# KiCad board TS_FPGA_Module_Rev2.kicad_pcb (continued)
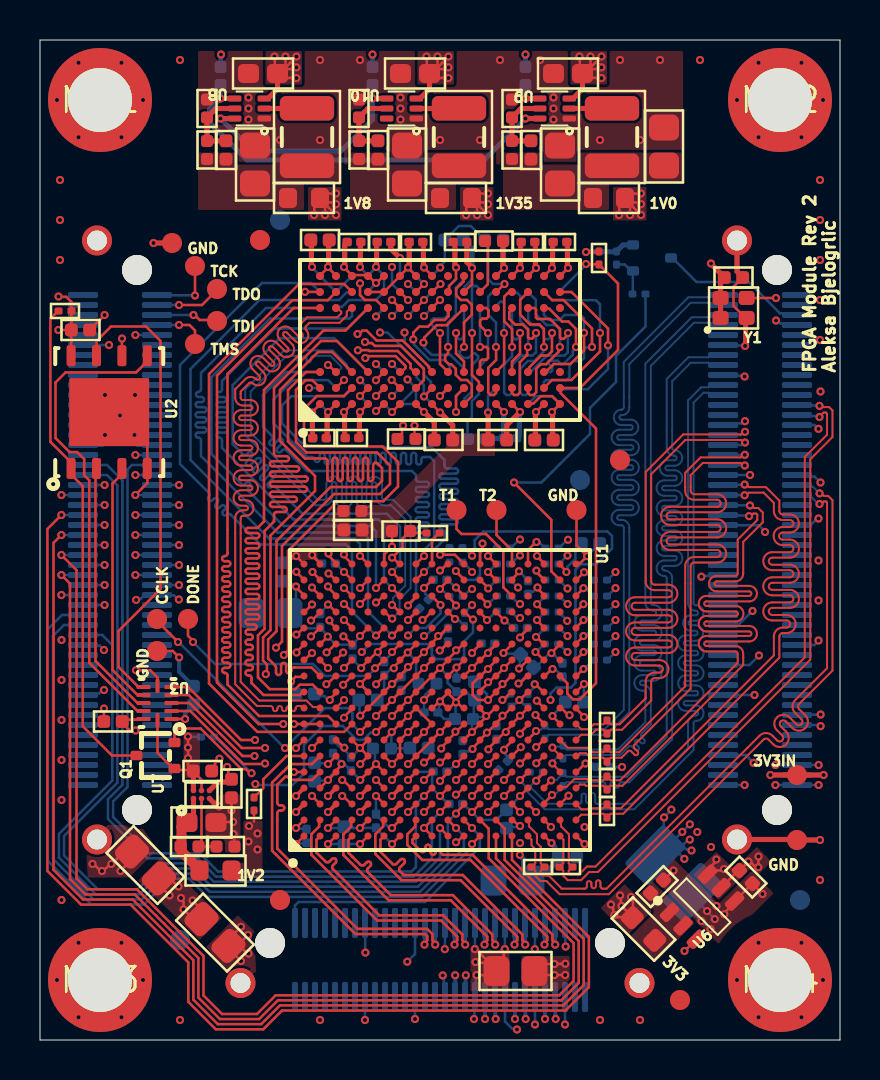
[diagram p0: board, top side]
## Routing (per net, layer and track width the routed paths; a pad name or vN(x,y) marks a point on that pad's centre or on a via; arc(x,y) is an arc through that point) (continued)
/FPGA_Banks_14_15_DDR3/DDR3_DQS1_N: length 40.7
  Top Layer w0.1: U1.A9 13.13,16.6 13.03,16.7 12.9,16.7 arc(12.81,16.67) 12.78,16.59 12.78,16.55 arc(12.67,16.44) 12.55,16.55 12.55,16.59 arc(12.44,16.7) 12.33,16.59 12.33,16.55 arc(12.21,16.44) 12.1,16.55 12.1,16.59 arc(11.99,16.7) 11.87,16.59 11.87,16.55 arc(11.76,16.44) 11.65,16.55 11.65,16.59 arc(11.61,16.67) 11.53,16.7 10.85,16.7 9.76,17.79 9.76,26.1 arc(9.87,26.37) 10.15,26.49 10.29,26.49 arc(10.4,26.6) 10.29,26.71 10.07,26.71 arc(9.68,27.1) 10.07,27.49 10.51,27.49 arc(10.62,27.6) 10.51,27.72 10.07,27.72 arc(9.68,28.1) 10.07,28.49 10.51,28.49 arc(10.62,28.61) 10.51,28.72 10.07,28.72 arc(9.68,29.11) 10.07,29.49 10.51,29.49 arc(10.62,29.61) 10.51,29.72 10.07,29.72 arc(9.68,30.11) 10.07,30.5 10.51,30.5 arc(10.62,30.61) 10.51,30.72 10.07,30.72 arc(9.68,31.11) 10.07,31.5 10.51,31.5 arc(10.62,31.61) 10.51,31.72 10.15,31.72 arc(9.87,31.84) 9.76,32.11 9.76,32.54 10.26,33.04 arc(10.54,33.15) 10.81,33.04 arc(10.89,33.01) 10.97,33.04 arc(11.01,33.12) 10.97,33.2 10.63,33.54 arc(10.52,33.81) 10.63,34.09 arc(10.91,34.2) 11.18,34.09 11.53,33.74 arc(11.61,33.7) 11.69,33.74 arc(11.73,33.82) 11.69,33.9 11.28,34.3 arc(11.17,34.58) 11.28,34.85 arc(11.53,34.97) 11.78,34.89 11.79,34.89 12.24,34.44 arc(12.32,34.41) 12.4,34.44 arc(12.43,34.52) 12.4,34.61 arc(12.4,34.61) 12.4,34.61 11.99,35.01 arc(11.88,35.29) 11.99,35.56 arc(12.23,35.67) 12.49,35.6 12.5,35.6 12.95,35.15 arc(13.11,35.15) 13.11,35.31 13.1,35.32 arc(12.98,35.6) 13.1,35.87 13.36,36.13 14.87,36.13 15.06,36.33 15.06,36.41 14.88,36.6 U4.B7
/FPGA_Banks_14_15_DDR3/DDR3_DQS1_P: length 40.2
  Top Layer w0.1: U4.C7 15.52,36.6 15.34,36.41 15.34,36.22 14.98,35.86 13.47,35.86 13.29,35.68 arc(13.26,35.6) 13.29,35.52 13.34,35.47 13.34,35.46 arc(13.42,35.2) 13.3,34.96 arc(13.03,34.85) 12.75,34.96 12.35,35.37 arc(12.27,35.4) 12.19,35.37 arc(12.15,35.29) 12.18,35.21 12.63,34.76 12.63,34.75 arc(12.71,34.49) 12.59,34.25 arc(12.32,34.14) 12.05,34.25 11.64,34.66 arc(11.64,34.66) 11.64,34.66 arc(11.56,34.69) 11.48,34.66 arc(11.44,34.58) 11.48,34.5 11.93,34.05 11.93,34.04 arc(12,33.79) 11.89,33.54 arc(11.61,33.43) 11.34,33.54 10.99,33.89 arc(10.91,33.93) 10.83,33.89 arc(10.79,33.81) 10.83,33.73 11.17,33.39 arc(11.28,33.12) 11.17,32.85 arc(10.89,32.73) 10.62,32.85 arc(10.54,32.88) 10.46,32.85 10.03,32.42 10.03,32.11 arc(10.07,32.03) 10.15,32 10.51,32 arc(10.9,31.61) 10.51,31.22 10.07,31.22 arc(9.95,31.11) 10.07,31 10.51,31 arc(10.9,30.61) 10.51,30.22 10.07,30.22 arc(9.95,30.11) 10.07,29.99 10.51,29.99 arc(10.9,29.61) 10.51,29.22 10.07,29.22 arc(9.95,29.11) 10.07,28.99 10.51,28.99 arc(10.9,28.61) 10.51,28.22 10.07,28.22 arc(9.95,28.1) 10.07,27.99 10.51,27.99 arc(10.9,27.6) 10.51,27.22 10.07,27.22 arc(9.95,27.1) 10.07,26.99 10.29,26.99 arc(10.67,26.6) 10.29,26.21 10.15,26.21 arc(10.07,26.18) 10.03,26.1 10.03,17.9 10.96,16.97 13.32,16.97 13.65,16.65 13.95,16.65 U1.B9
/FPGA_Banks_14_15_DDR3/DDR3_DQS2_N: length 29.4
  Top Layer w0.127: 12.82,23.4 13.17,23.05 ; 13.19,23 U1.A17
  Int2 (Sign) w0.1: v1(18.4,36.2) 18.34,36.26 18.08,36.26 17.72,36.62 17.33,36.62 17.06,36.9 15.01,36.9 11.36,33.25 11.36,32.45 arc(11.48,32.16) 11.77,32.04 11.95,32.04 arc(12.06,31.92) 11.95,31.81 11.62,31.81 arc(11.21,31.4) 11.62,30.98 11.95,30.98 arc(12.06,30.87) 11.95,30.76 11.62,30.76 arc(11.21,30.34) 11.62,29.93 11.95,29.93 arc(12.06,29.81) 11.95,29.7 11.62,29.7 arc(11.21,29.29) 11.62,28.87 11.95,28.87 arc(12.06,28.76) 11.95,28.65 11.62,28.65 arc(11.21,28.23) 11.62,27.82 11.95,27.82 arc(12.06,27.71) 11.95,27.59 11.62,27.59 arc(11.21,27.18) 11.62,26.77 11.95,26.77 arc(12.06,26.65) 11.95,26.54 11.62,26.54 arc(11.21,26.13) 11.62,25.71 11.95,25.71 arc(12.06,25.6) 11.95,25.49 11.77,25.49 arc(11.48,25.36) 11.36,25.07 11.36,23.81 11.67,23.5 12.72,23.5 ; 12.73,23.41 v1(12.82,23.41)
  Bottom Layer w0.127: v1(18.4,36.2) U5.G3
/FPGA_Banks_14_15_DDR3/DDR3_DQS2_P: length 29.5
  Top Layer w0.127: v1(13.6,22.62) 13.6,22.61 13.96,22.25 13.96,22.24
  Int2 (Sign) w0.1: v1(17.6,36.2) 17.52,36.2 17.4,36.32 17.21,36.32 16.93,36.6 15.13,36.6 12.58,34.05 12.34,33.81 arc(12.31,33.73) 12.34,33.65 12.4,33.59 arc(12.43,33.51) 12.4,33.43 arc(12.32,33.39) 12.24,33.43 12.18,33.49 arc(12.1,33.52) 12.02,33.49 11.66,33.12 11.66,32.45 arc(11.69,32.37) 11.77,32.34 11.95,32.34 arc(12.36,31.92) 11.95,31.51 11.62,31.51 arc(11.51,31.4) 11.62,31.28 11.95,31.28 arc(12.36,30.87) 11.95,30.46 11.62,30.46 arc(11.51,30.34) 11.62,30.23 11.95,30.23 arc(12.36,29.81) 11.95,29.4 11.62,29.4 arc(11.51,29.29) 11.62,29.17 11.95,29.17 arc(12.36,28.76) 11.95,28.35 11.62,28.35 arc(11.51,28.23) 11.62,28.12 11.95,28.12 arc(12.36,27.71) 11.95,27.29 11.62,27.29 arc(11.51,27.18) 11.62,27.07 11.95,27.07 arc(12.36,26.65) 11.95,26.24 11.62,26.24 arc(11.51,26.13) 11.62,26.01 11.95,26.01 arc(12.36,25.6) 11.95,25.19 11.77,25.19 arc(11.69,25.15) 11.66,25.07 11.66,23.94 11.79,23.8 12.97,23.8 13.22,23.55 13.22,23 v1(13.6,22.62)
  Bottom Layer w0.127: v1(17.6,36.2) U5.F3
/FPGA_Banks_14_15_DDR3/DDR3_DQS3_N: length 30.8
  Top Layer w0.127: 17.23,21.38 17.26,21.38 17.57,21.07 v1(17.61,21.07)
  Bottom Layer w0.1: v1(17.61,21.07) 17.98,21.44 17.98,22.05 18.53,22.6 18.53,26.15 17.67,27.01 17.21,27.01 arc(17.13,27.04) 17.1,27.12 17.1,27.77 arc(16.71,28.16) 16.32,27.77 16.32,26.98 arc(16.21,26.86) 16.1,26.98 16.1,27.79 arc(15.71,28.18) 15.32,27.79 15.32,26.98 arc(15.21,26.86) 15.09,26.98 15.09,27.79 arc(14.71,28.18) 14.32,27.79 14.32,27.12 arc(14.29,27.04) 14.21,27.01 13.88,27.01 10.53,30.36 10.53,32.42 12.32,34.21 12.76,34.21 arc(12.84,34.18) 12.87,34.1 12.87,33.99 arc(12.98,33.88) 13.1,33.99 13.1,34.07 arc(13.21,34.19) 13.33,34.07 13.33,34 arc(13.44,33.89) 13.55,34 13.55,34.1 arc(13.59,34.18) 13.67,34.21 14.52,34.21 15.06,33.67 15.06,33.59 14.88,33.4 U5.B7
/FPGA_Banks_14_15_DDR3/DDR3_DQS3_P: length 30.1
  Top Layer w0.127: v1(17.6,21.75) 17.63,21.75 17.94,21.44 17.96,21.44
  Bottom Layer w0.1: U5.C7 15.52,33.4 15.34,33.59 15.34,33.78 14.64,34.48 12.21,34.48 10.26,32.54 10.26,30.25 13.77,26.74 14.21,26.74 arc(14.48,26.85) 14.59,27.12 14.59,27.79 arc(14.71,27.9) 14.82,27.79 14.82,26.98 arc(15.21,26.59) 15.6,26.98 15.6,27.79 arc(15.71,27.9) 15.82,27.79 15.82,26.98 arc(16.21,26.59) 16.6,26.98 16.6,27.77 arc(16.71,27.89) 16.82,27.77 16.82,27.12 arc(16.94,26.85) 17.21,26.74 17.55,26.74 18.26,26.03 18.26,22.71 17.65,22.1 17.65,21.8 v1(17.6,21.75)
/FPGA_Banks_14_15_DDR3/DDR3_ODT: length 1.2
  Top Layer w0.127: U1.K17 20.4,22.98 20,22.58 v1(20,22.55)
  Bottom Layer w0.127: R36.1 20.44,22.18 20.06,22.55 v1(20,22.55)
/FPGA_Banks_14_15_DDR3/DDR3_ODT_T: length 44.5
  Top Layer w0.127: v1(20.4,34.65) 20.4,34.65 20.4,34.34 20.26,34.2 20.26,33.97 20.44,33.79 20.56,33.79 20.79,33.56 20.79,33.26 21.05,33 21.35,33 21.59,32.76 21.59,32.19 U4.K1
  Int2 (Sign) w0.127: v1(21.6,22.55) 21.13,23.02 20.67,23.02 20.4,23.29 20.4,23.98 arc(20.44,24.07) 20.53,24.11 20.83,24.11 arc(20.95,24.23) 20.83,24.36 20.52,24.36 arc(20.4,24.49) 20.52,24.61 20.83,24.61 arc(20.95,24.74) 20.83,24.87 20.54,24.87 arc(20.42,25) 20.54,25.12 20.83,25.12 arc(20.95,25.25) 20.83,25.38 20.55,25.38 arc(20.42,25.5) 20.55,25.63 20.85,25.63 arc(20.97,25.76) 20.85,25.88 20.56,25.88 arc(20.43,26.01) 20.56,26.14 20.85,26.14 arc(20.98,26.27) 20.85,26.39 20.56,26.39 arc(20.43,26.52) 20.56,26.65 20.85,26.65 arc(20.98,26.77) 20.85,26.9 20.57,26.9 arc(20.45,27.03) 20.57,27.15 20.86,27.15 arc(20.98,27.28) 20.86,27.41 20.57,27.41 arc(20.45,27.54) 20.57,27.66 20.86,27.66 arc(20.99,27.79) 20.86,27.92 20.57,27.92 arc(20.45,28.04) 20.57,28.17 20.87,28.17 arc(20.99,28.3) 20.87,28.42 20.57,28.42 arc(20.44,28.55) 20.57,28.68 20.87,28.68 arc(21,28.81) 20.87,28.93 20.57,28.93 arc(20.44,29.06) 20.57,29.19 20.84,29.19 arc(20.97,29.31) 20.84,29.44 20.57,29.44 arc(20.44,29.57) 20.57,29.69 20.83,29.69 arc(20.96,29.82) 20.83,29.95 20.53,29.95 arc(20.44,29.99) 20.4,30.08 20.4,30.23 20.62,30.45 20.95,30.45 arc(21.04,30.49) 21.08,30.58 21.08,30.6 arc(21.2,30.73) 21.33,30.6 21.33,30.23 arc(21.46,30.1) 21.58,30.23 21.58,30.6 arc(21.71,30.73) 21.84,30.6 21.84,30.23 arc(21.96,30.1) 22.09,30.23 22.09,30.32 arc(22.13,30.41) 22.22,30.45 26.1,30.45 26.3,30.65 26.3,31.78 26.03,32.05 21.27,32.05 20.4,32.92 20.4,34.65 v1(20.4,34.65)
  Bottom Layer w0.127: v1(20.4,34.65) 20.4,34.65 20.4,35.88 20.79,36.27 20.79,37.61 21.15,37.97 21.15,38.15 U5.K1 ; R36.2 21.16,22.18 21.54,22.55 v1(21.6,22.55)
/FPGA_Banks_14_15_DDR3/DDR3_RAS: length 1.1
  Top Layer w0.127: U1.K15 v1(20.75,21.05)
  Bottom Layer w0.127: v1(20.75,21.05) 20.83,21.05 20.91,20.96 20.96,20.96 21.09,20.84 21.1,20.84 21.22,20.71 R19.1
/FPGA_Banks_14_15_DDR3/DDR3_RAS_T: length 45.8
  Top Layer w0.127: U4.J3 20,33.8 v1(20,35.35)
  Int2 (Sign) w0.127: v1(21.6,21.75) 21.21,22.14 19.85,22.14 19.6,22.39 19.6,24.98 arc(19.64,25.07) 19.73,25.11 20.04,25.11 arc(20.17,25.24) 20.04,25.37 19.63,25.37 arc(19.5,25.49) 19.63,25.62 20.06,25.62 arc(20.19,25.75) 20.06,25.87 19.63,25.87 arc(19.5,26) 19.63,26.13 20.06,26.13 arc(20.18,26.25) 20.06,26.38 19.63,26.38 arc(19.5,26.51) 19.63,26.64 20.06,26.64 arc(20.19,26.76) 20.06,26.89 19.63,26.89 arc(19.5,27.02) 19.63,27.14 20.07,27.14 arc(20.2,27.27) 20.07,27.4 19.63,27.4 arc(19.5,27.52) 19.63,27.65 20.07,27.65 arc(20.2,27.78) 20.07,27.91 19.63,27.91 arc(19.5,28.03) 19.63,28.16 20.07,28.16 arc(20.2,28.29) 20.07,28.41 19.63,28.41 arc(19.5,28.54) 19.63,28.67 20.07,28.67 arc(20.2,28.79) 20.07,28.92 19.63,28.92 arc(19.5,29.05) 19.63,29.18 20.07,29.18 arc(20.2,29.3) 20.07,29.43 19.63,29.43 arc(19.5,29.56) 19.63,29.68 20.04,29.68 arc(20.17,29.81) 20.04,29.94 19.63,29.94 arc(19.5,30.06) 19.63,30.19 20.02,30.19 arc(20.15,30.32) 20.02,30.45 19.73,30.45 arc(19.64,30.48) 19.6,30.57 19.6,30.73 19.86,30.98 22.5,30.98 arc(22.59,30.94) 22.63,30.85 22.63,30.83 arc(22.75,30.7) 22.88,30.83 22.88,30.88 arc(23.01,31.01) 23.13,30.88 23.13,30.83 arc(23.26,30.7) 23.39,30.83 23.39,30.9 arc(23.51,31.03) 23.64,30.9 23.64,30.83 arc(23.77,30.7) 23.9,30.83 23.9,30.88 arc(24.02,31.01) 24.15,30.88 24.15,30.83 arc(24.28,30.7) 24.4,30.83 24.4,30.88 arc(24.53,31.01) 24.66,30.88 24.66,30.83 arc(24.78,30.7) 24.91,30.83 24.91,30.85 arc(24.95,30.94) 25.04,30.98 25.74,30.98 25.99,31.24 25.99,31.56 25.76,31.79 25.76,31.79 25.75,31.8 20.98,31.8 20,32.78 v1(20,35.35)
  Bottom Layer w0.127: 21.2,21.35 v1(21.6,21.75) ; U5.J3 20.36,36.56 20.36,36.22 20.22,36.08 19.66,36.08 19.56,35.98 19.56,35.78 19.99,35.34
/FPGA_Banks_14_15_DDR3/DDR3_RESET: length 29.4
  Top Layer w0.127: v1(27.3,38.8) 27.31,38.79 27.84,38.79 27.95,38.68 ; R16.1 27.95,38.76 28.07,38.64 28.09,38.64 28.9,37.83 28.9,34.5 27,32.6 U4.T2 26.04,32.56 26.04,32.34 27.8,30.58 27.8,17.84 26.99,17.03 26.65,17.03 26.37,17.32 26.37,17.83 U1.U11
  Bottom Layer w0.127: U5.T2 26,37.45 27.3,38.75 v1(27.3,38.8)
/FPGA_Banks_14_15_DDR3/DDR3_S0: length 1.2
  Top Layer w0.127: v1(22.35,21) 22.35,21.03 22,21.38 U1.M15
  Bottom Layer w0.127: v1(22.35,21) 22.38,21 22.75,21.38 22.82,21.38
/FPGA_Banks_14_15_DDR3/DDR3_S0_T: length 48.2
  Top Layer w0.127: U4.L2 21.95,32.65 21.95,32.9 21.6,33.25 v1(21.6,35.35)
  Int2 (Sign) w0.127: v1(21.6,35.35) 21.6,33.33 22.11,32.81 26.64,32.81 27.22,32.23 27.22,28.55 26.97,28.3 26.39,28.3 arc(26.3,28.26) 26.27,28.17 26.27,27.86 arc(26.14,27.73) 26.01,27.86 26.01,28.18 arc(25.89,28.31) 25.76,28.18 25.76,27.86 arc(25.63,27.73) 25.51,27.86 25.51,28.18 arc(25.38,28.31) 25.25,28.18 25.25,27.86 arc(25.12,27.73) 25,27.86 25,28.19 arc(24.87,28.31) 24.74,28.19 24.74,27.86 arc(24.62,27.73) 24.49,27.86 24.49,28.17 arc(24.45,28.26) 24.36,28.3 23,28.3 22.82,28.12 22.82,28.08 arc(22.86,27.99) 22.95,27.95 23.13,27.95 arc(23.26,27.83) 23.13,27.7 22.95,27.7 arc(22.82,27.57) 22.95,27.44 23.12,27.44 arc(23.25,27.32) 23.12,27.19 22.99,27.19 arc(22.86,27.06) 22.99,26.94 23.12,26.94 arc(23.25,26.81) 23.12,26.68 22.98,26.68 arc(22.85,26.56) 22.98,26.43 23.12,26.43 arc(23.25,26.3) 23.12,26.17 22.98,26.17 arc(22.85,26.05) 22.98,25.92 23.12,25.92 arc(23.25,25.79) 23.12,25.67 22.98,25.67 arc(22.85,25.54) 22.98,25.41 23.12,25.41 arc(23.25,25.29) 23.12,25.16 22.91,25.16 arc(22.78,25.03) 22.91,24.9 23.12,24.9 arc(23.25,24.78) 23.12,24.65 22.91,24.65 arc(22.78,24.52) 22.91,24.4 23.12,24.4 arc(23.25,24.27) 23.12,24.14 22.92,24.14 arc(22.79,24.02) 22.92,23.89 23.13,23.89 arc(23.26,23.76) 23.13,23.63 22.92,23.63 arc(22.79,23.51) 22.92,23.38 23.13,23.38 arc(23.26,23.25) 23.13,23.13 22.91,23.13 arc(22.78,23) 22.91,22.87 23.13,22.87 arc(23.25,22.75) 23.13,22.62 22.93,22.62 arc(22.8,22.49) 22.93,22.36 23.13,22.36 arc(23.25,22.24) 23.13,22.11 22.91,22.11 arc(22.78,21.98) 22.91,21.86 23.13,21.86 arc(23.26,21.73) 23.13,21.6 22.95,21.6 arc(22.86,21.56) 22.82,21.48 22.82,20.82 23.06,20.58 24.99,20.58 25.25,20.84 25.25,22 25.05,22.2 24.7,22.2 24.39,21.89 24.39,21.49 v1(24,21.1)
  Bottom Layer w0.127: v1(24,21.1) 23.95,21.15 23.82,21.15 23.57,21.4 23.54,21.4 ; v1(21.6,35.35) 21.6,37.63 21.67,37.7 21.82,37.7 21.95,37.58 21.95,37.45 U5.L2
/FPGA_Banks_14_15_DDR3/DDR3_WE: length 1.2
  Top Layer w0.127: U1.M16 22,22.18 22.38,21.81 v1(22.38,21.79)
  Bottom Layer w0.127: R26.1 22.81,22.2 22.4,21.79 v1(22.38,21.79)
/FPGA_Banks_14_15_DDR3/DDR3_WE_T: length 45.7
  Top Layer w0.127: U4.L3 22,33.92 22.1,34.02 22.31,34.02 22.4,34.1 22.4,34.58 22.33,34.65 22,34.65
  Int2 (Sign) w0.127: v1(24,21.8) 23.51,22.29 23.51,22.79 23.74,23.02 24.09,23.02 24.35,23.27 24.35,23.6 24.11,23.83 23.84,23.83 23.5,24.17 23.5,25.67 arc(23.54,25.76) 23.63,25.8 23.91,25.8 arc(24.04,25.93) 23.91,26.06 23.63,26.06 arc(23.5,26.18) 23.63,26.31 27.96,26.31 arc(28.08,26.44) 27.96,26.56 23.63,26.56 arc(23.5,26.69) 23.63,26.82 27.96,26.82 arc(28.08,26.94) 27.96,27.07 23.63,27.07 arc(23.54,27.11) 23.5,27.2 23.5,27.27 23.71,27.48 26.57,27.48 27.55,28.45 27.55,32.35 26.83,33.07 22.38,33.07 22,33.45 v1(22,34.65)
  Bottom Layer w0.127: v1(24,21.8) 23.94,21.8 23.54,22.2 R26.2 ; v1(22,34.65) U5.L3
/FPGA_Banks_14_15_DDR3/NetR17_1: length 2.8
  Top Layer w0.127: R17.1 22.39,39.81 22.39,37.79 U4.L8
/FPGA_Banks_14_15_DDR3/NetR18_1: length 2.8
  Bottom Layer w0.127: R18.1 21.38,30.07 21.38,30.91 21.59,31.13 21.59,31.94 21.95,32.3 21.95,32.55 U5.L8
/FPGA_Banks_14_15_DDR3/PUDC: length 1.7
  Top Layer w0.127: U1.J18 19.6,25 19.95,25.35 R58.1
/FPGA_Banks_14_15_DDR3/SPI_CS_1V35: length 31.4
  Top Layer w0.127: v1(10.57,13.34) 10.5,13.34 10.29,13.55 10.06,13.55 8.03,15.58 6.95,15.58 6.72,15.35 Q1.3 ; U1.L15 21.24,21.4 21.61,21.03 v1(21.65,21.03)
  Int2 (Sign) w0.127: v1(10.57,13.34) 10.54,13.38 10.54,13.6 9.08,15.06 9.08,19.75 10,20.68 11.86,20.68 12.76,19.77 15.35,19.77 15.68,19.45 16.02,19.45 16.07,19.39
  Bottom Layer w0.127: v1(21.65,21.03) 21.65,20.38 21.21,19.93 21.21,19.21 21.04,19.04 19.81,19.04 19.59,19.26 19.59,19.56 19.35,19.8 16.49,19.8 v1(16.09,19.4) ; R12.1 8.78,15.07 8.85,15.07 v1(10.57,13.34)
/FPGA_Banks_14_15_DDR3/SPI_DQ0_1V35: length 21.6
  Top Layer w0.127: v1(20.8,21.73) 20.8,21.76 20.4,22.16 U1.K16 ; U3.2 7.52,16.45 10.17,13.8 11.22,13.8 v1(11.25,13.83)
  Int2 (Sign) w0.127: v1(19.2,20.2) 19.59,19.81 19.59,18.44 19.35,18.19 19.04,18.19 18.01,17.16 18.01,16.85 17.75,16.59 17.44,16.59 17.21,16.36 17.21,16.05 16.95,15.79 16.64,15.79 16.41,15.56 16.41,15.25 16.15,14.99 15.84,14.99 15.61,14.76 15.61,14.45 15.36,14.21 14.25,14.21 13.87,13.83 v1(11.25,13.83)
  Bottom Layer w0.127: v1(20.8,21.73) 19.28,20.2 v1(19.2,20.2)
/FPGA_Banks_14_15_DDR3/SPI_DQ1_1V35: length 45
  Top Layer w0.127: v1(10.72,14.2) 10.12,14.2 7.48,16.85 U3.3 ; U1.L17 21.2,23.02 20.79,23.43 v1(20.79,23.45)
  Int2 (Sign) w0.127: v1(10.72,14.2) 10.72,13.78 11.53,12.98 13.82,12.98 14.24,13.39 15.35,13.39 15.6,13.64 15.6,13.96 15.84,14.2 16.15,14.2 16.4,14.44 17.19,15.24 17.19,15.57 17.43,15.81 17.76,15.81 18,16.04 18,16.36 18.25,16.61 18.56,16.61 18.74,16.43 21.26,16.43 22.03,17.2 22.04,17.2 22.24,17.4 25.15,17.4 25.53,17.03 v1(25.53,17)
  Bottom Layer w0.127: v1(25.53,17) 25.53,17.33 25.82,17.62 26.55,17.62 26.78,17.85 26.78,20.35 26.78,21.1 26.78,21.96 26.78,23.52 27.04,23.78 27.81,23.78 28.6,24.58 28.6,25.2 28.38,25.43 22.17,25.43 21.73,24.99 21.73,24.64 22,24.37 22,23.24 21.76,23.01 21.24,23.01 v1(20.79,23.45)
/FPGA_Banks_14_15_DDR3/SPI_DQ2_1V35: length 18.8
  Top Layer w0.127: v1(11.25,14.6) 10.09,14.6 7.44,17.25 U3.4 ; v1(19.12,21) 19.16,21 19.52,21.36 19.56,21.36
  Int2 (Sign) w0.127: v1(11.25,14.6) 11.67,14.18 13.73,14.18 14.06,14.5 14.54,14.5 15.85,15.81 16.22,15.81 16.41,16 16.41,16.36 17.45,17.41 17.82,17.41 18.81,18.4 18.81,20.68 v1(19.12,21)
/FPGA_Banks_14_15_DDR3/SPI_DQ3_1V35: length 19.5
  Top Layer w0.127: v1(10.75,15) 10.05,15 7.4,17.65 U3.5 ; v1(20.03,21.75) 20.03,21.76 19.6,22.19 U1.J16
  Int2 (Sign) w0.127: v1(10.75,15) 14.65,15 15.59,15.95 15.59,16.35 15.85,16.61 16.23,16.61 17.2,17.58 17.2,18.73 17.48,19 17.83,19 17.99,19.17 17.99,19.54 18.39,19.94 18.39,20.21 v1(18.4,20.23)
  Bottom Layer w0.127: v1(20.03,21.75) 20.03,21.33 19.3,20.6 18.78,20.6 v1(18.4,20.23)
/FPGA_Banks_14_15_DDR3/TEST_1: length 6.2
  Top Layer w0.127: U1.P16 23.17,22.63 23.17,24.43 22.3,25.3 21.07,25.3 20.82,25.55 TP3.1
/FPGA_Banks_14_15_DDR3/TEST_2: length 3
  Top Layer w0.127: TP2.1 22.82,25.25 23.6,24.48 U1.P18
/FPGA_CFG/NetR14_1: length 1.3
  Top Layer w0.127: v1(24.74,17.79) 24.77,17.79 25.16,17.4 ; 25.16,17.4 U1.T10 25.16,17.4
  Bottom Layer w0.127: v1(24.74,17.79) 24.68,17.74 24.68,17.61 24.4,17.33 R14.1
/FPGA_CFG/NetR15_1: length 1.1
  Top Layer w0.127: 23.56,17.36 23.52,17.36 23.16,17 v1(23.12,17)
  Bottom Layer w0.127: 23.53,17.3 23.53,17.29 23.29,17.06 23.17,17.06 v1(23.12,17)
/FPGA_CFG/NetTP1_1: length 11.8
  Top Layer w0.127: 16.75,18.59 16.77,18.59 17.15,18.96 17.16,18.96 ; TP1.1 7.4,20.21 7.65,19.96 v1(7.65,19.9)
  Bottom Layer w0.127: 16.75,18.59 16.75,18.56 16.39,18.2 14.24,18.2 13.64,18.8 8.75,18.8 v1(7.65,19.9)
  vias: v1(16.75,18.59)
/FPGA_CFG/SPI_CLK: length 32.8
  Top Layer w0.127: v1(4.1,35.07) 4.1,35.07 4.1,34.22 U2.6 ; v1(6.9,19.9) 5.9,20.9 5.9,21 ; v1(16,15.4) 16.36,15.76
  Int2 (Sign) w0.127: v1(6.9,19.9) 6.92,19.9 7.19,20.17 7.28,20.17 7.55,20.45 7.55,31.62 v1(4.1,35.07)
  Bottom Layer w0.127: v1(12.25,14.6) 12.22,14.6 6.92,19.9 v1(6.9,19.9) ; v1(16,15.4) 15.62,15.78 15.62,16.34 15.36,16.59 14.24,16.59 12.25,14.61
/FPGA_CFG/SPI_CS: length 24.9
  Top Layer w0.127: Q1.1 3.6,14.23 2.14,15.69 2.14,27.69 1.55,28.28 1.55,28.88 0.52,29.91 0.52,36.07 0.9,36.45 R13.1
/FPGA_CFG/SPI_DQ0: length 23.9
  Top Layer w0.127: U3.10 5.14,16.49 4.84,16.49 2.46,18.86 2.46,27.99 2.21,28.24 2.21,29.04 1.85,29.4 1.48,29.4 0.78,30.1 0.78,32.88 1.28,33.38 4.8,33.38 5.36,33.94 U2.5
/FPGA_CFG/SPI_DQ1: length 12.9
  Top Layer w0.127: U3.9 5.14,16.89 4.84,16.89 2.78,18.95 2.78,28.53 U2.2
/FPGA_CFG/SPI_DQ2: length 12.3
  Top Layer w0.127: U3.8 5.14,17.29 4.84,17.29 3.62,18.5 3.62,27.83 4.09,28.29 U2.3
/FPGA_CFG/SPI_DQ3: length 23.4
  Top Layer w0.127: U2.7 2.82,34.95 3.55,35.68 5.3,35.68 6.03,34.95 6.03,22.55 3.92,20.45 3.92,18.65 4.93,17.65 U3.7
/FPGA_MGT/NetR11_2: length 3.6
  Top Layer w0.127: U1.A6 12.33,14.2 11.16,13.03 11.16,12.58 10.84,12.26 10.82,12.26 10.7,12.14 R11.2
/FPGA_PWR/NetC64_2: length 2.3
  Top Layer w0.127: v1(19.2,17) U1.J10
  Bottom Layer w0.127: C64.2 19.2,16.38 19.2,17 v1(19.2,17) 19.25,17.05 19.25,17.25 FB1.1
/LCLK_N: length 35.8
  Top Layer w0.1: 24.58,8.65 24.76,8.47 24.76,8.21 25.02,7.95 25.32,7.95 25.98,7.29 28.44,7.29 36.17,15.02 arc(36.3,15.07) 36.42,15.02 36.67,14.78 arc(36.98,14.65) 37.3,14.78 arc(37.44,15.1) 37.3,15.42 37.04,15.68 arc(36.99,15.81) 37.04,15.93 arc(37.16,15.99) 37.29,15.93 37.63,15.6 arc(37.95,15.46) 38.26,15.6 arc(38.4,15.92) 38.26,16.23 37.95,16.55 arc(37.9,16.67) 37.95,16.8 39.62,18.47 39.62,26.99 39.41,27.2 39.19,27.2 39.06,27.33 v1(38.98,27.33) ; U1.R1 24.4,10.19 24.57,10.02 24.57,9.74 24.76,9.55 24.76,8.83 24.58,8.65 R10.1
  Bottom Layer w0.1: v1(38.98,27.33) 38.65,27.67 37.93,27.67 JM1.61
/LCLK_P: length 36.6
  Top Layer w0.1: 25.21,8.65 25.21,8.64 25.04,8.47 25.04,8.33 25.14,8.23 25.43,8.23 26.09,7.57 27.23,7.57 arc(27.31,7.6) 27.34,7.68 27.34,7.83 arc(27.46,7.94) 27.57,7.83 27.57,7.7 arc(27.68,7.59) 27.8,7.7 27.8,7.87 arc(27.91,7.98) 28.02,7.87 28.02,7.68 arc(28.06,7.6) 28.14,7.57 28.33,7.57 28.53,7.76 35.98,15.22 arc(36.3,15.35) 36.62,15.22 36.86,14.98 arc(36.98,14.92) 37.11,14.98 arc(37.16,15.1) 37.11,15.23 36.85,15.49 arc(36.71,15.81) 36.85,16.13 arc(37.16,16.26) 37.48,16.13 37.82,15.79 arc(37.95,15.74) 38.07,15.79 arc(38.12,15.92) 38.07,16.04 37.76,16.35 arc(37.62,16.67) 37.76,16.99 39.35,18.59 39.35,26.73 39.35,26.88 39.3,26.93 39.19,26.93 39.06,26.8 v1(38.97,26.8) ; U1.R2 24.45,10.95 24.45,10.68 24.85,10.28 24.85,9.85 25.04,9.66 25.04,8.83 25.22,8.65 R10.2
  Bottom Layer w0.1: JM1.59 38.46,27.25 38.91,26.8 v1(38.97,26.8)
/LED: length 18.8
  Top Layer w0.127: v1(23.7,27.88) 25.57,26.01 25.57,23.43 U1.U17
  Bottom Layer w0.127: R62.1 30.28,35.68 28.8,34.2 28.8,32.9 27.5,31.6 27.5,30.3 25.07,27.88 v1(23.7,27.88)
/LED_3V3: length 7.4
  Bottom Layer w0.127: 31.69,39.03 32.82,37.9 35.43,37.9 37,36.33 37.77,36.33 JM1.95 ; Q2.1 31.62,39.1
/MGT_CLK1_N: length 17.4
  Top Layer w0.127: 12.53,13.01 12.86,13.01
  Top Layer w0.13: v1(19.76,4.77) 19.76,4.84 19.62,4.98 19.62,5.3 19.36,5.56 15.88,5.56 11.86,9.57 11.86,11.35 arc(11.9,11.44) 11.99,11.48 12.09,11.48 arc(12.18,11.51) 12.22,11.61 arc(12.18,11.7) 12.09,11.73 11.99,11.73 arc(11.9,11.77) 11.86,11.86 11.86,12.76 12.26,13.16 12.37,13.16 12.53,13.01 ; 12.86,13.01 13.61,13.01 U1.B5
  Bottom Layer w0.191: 19.75,4.78 JM3.31
/MGT_CLK1_P: length 17.4
  Top Layer w0.127: 12.3,13.56 12.53,13.8
  Top Layer w0.13: 12.3,13.56 12.3,13.55 12.17,13.42 12.16,13.42 11.61,12.87 11.61,9.46 15.77,5.3 19.25,5.3 19.36,5.19 19.36,4.98 19.23,4.84 v1(19.23,4.77) ; U1.B6 13.6,13.8 12.53,13.8
  Bottom Layer w0.191: 19.24,5.84 19.24,4.78 v1(19.23,4.77)
/MGT_RX0_N: length 20.5
  Top Layer w0.191: v1(16,11.4) U1.E3
  Int3 (Sign) w0.124: 16.01,11.41 15.95,11.47 15.95,11.57 15.79,11.73 15.68,11.73 15.54,11.59 15.54,6.04 18.97,2.61 24.59,2.61 25.64,1.56 25.64,1.26 25.78,1.12 v1(25.78,1.05)
  Bottom Layer w0.191: JM3.8 25.77,2.13 25.77,1.07 v1(25.78,1.05)
/MGT_RX0_P: length 20.8
  Top Layer w0.191: v1(16,12.2) U1.E4
  Int3 (Sign) w0.124: v1(25.25,1.05) 25.25,1.12 25.39,1.26 25.39,1.46 24.49,2.36 18.87,2.36 15.29,5.94 15.29,11.69 15.75,12.15 15.95,12.15 v1(16,12.2)
  Bottom Layer w0.191: v1(25.25,1.05) JM3.10
/MGT_RX1_N: length 22.6
  Top Layer w0.191: v1(12.8,11.4) U1.A3
  Int3 (Sign) w0.124: v1(12.8,11.4) 12.25,11.4 12.14,11.3 12.14,6.28 17.79,0.63 22.97,0.63 23.36,1.02 23.36,1.21 23.59,1.44 23.91,1.44 24.14,1.21 24.14,1.05 v1(24.28,1.05)
  Bottom Layer w0.191: v1(24.28,1.05) 24.27,1.07 24.27,2.15 24.26,2.16
/MGT_RX1_P: length 22.8
  Top Layer w0.191: v1(12.8,12.2) U1.A4
  Int3 (Sign) w0.124: v1(12.8,12.2) 12.8,12.05 12.4,11.65 12.14,11.65 11.89,11.4 11.89,6.18 17.69,0.38 23.08,0.38 23.75,1.05
  Bottom Layer w0.191: v1(23.75,1.05) JM3.16
/MGT_RX2_N: length 19.2
  Top Layer w0.191: v1(14.4,11.4) U1.C3
  Int3 (Sign) w0.11: v1(14.4,11.4) 14.4,11.48 14.14,11.74 14.04,11.74 13.88,11.58 13.88,6.07 18.18,1.76 22.43,1.76 22.64,1.56 22.64,1.26 22.78,1.11 v1(22.78,1.05)
  Bottom Layer w0.191: v1(22.78,1.05) 22.77,1.07 22.77,2.15 22.76,2.16
/MGT_RX2_P: length 19.4
  Top Layer w0.191: v1(14.4,12.2) U1.C4
  Int3 (Sign) w0.11: v1(14.4,12.2) 14.39,12.2 14.17,11.98 13.95,11.98 13.64,11.68 13.64,5.97 18.09,1.53 22.33,1.53 22.4,1.46 22.4,1.26 22.25,1.11 v1(22.25,1.05)
  Bottom Layer w0.191: v1(22.25,1.05) JM3.22
/MGT_RX3_N: length 13.5
  Top Layer w0.191: v1(17.6,11.4) U1.G3
  Int3 (Sign) w0.124: v1(21.29,3.24) 21.29,3.31 21.15,3.45 21.15,3.73 20.87,4.01 19.21,4.01 17.11,6.11 17.11,11.6 17.28,11.77 17.38,11.77 17.55,11.6 17.55,11.45 v1(17.6,11.4)
  Bottom Layer w0.191: 21.28,3.22 21.28,2.18 21.26,2.16
/MGT_RX3_P: length 13.8
  Top Layer w0.191: v1(17.6,12.2) U1.G4
  Int3 (Sign) w0.124: v1(17.6,12.2) 17.55,12.15 17.3,12.15 16.86,11.71 16.86,6 19.11,3.76 20.77,3.76 20.9,3.63 20.9,3.45 20.76,3.31 v1(20.76,3.24)
  Bottom Layer w0.191: 20.76,3.24 20.76,2.16 JM3.28
/MGT_TX0_N: length 11.9
  Top Layer w0.13: U1.H1 18.8,10.19 18.62,10.01 18.62,9.86 19.05,9.43 arc(19.19,9.4) 19.27,9.52 19.27,9.63 arc(19.31,9.72) 19.4,9.76 arc(19.49,9.72) 19.53,9.63 19.53,9.39 arc(19.57,9.3) 19.66,9.26 arc(19.75,9.3) 19.79,9.39 19.79,9.41 arc(19.82,9.5) 19.91,9.54 arc(20,9.5) 20.04,9.41 20.04,9.39 arc(20.08,9.3) 20.17,9.26 21.63,9.26 25.33,5.56 25.34,5.56 25.62,5.27 25.62,4.98 25.76,4.84 v1(25.76,4.77)
  Bottom Layer w0.191: v1(25.76,4.77) 25.75,4.77 25.75,5.85 JM3.7
/MGT_TX0_P: length 11.9
  Top Layer w0.13: U1.H2 18.76,10.96 18.76,10.68 18.37,10.29 18.37,9.75 19.12,9 21.52,9 25.23,5.3 25.23,5.3 25.36,5.17 25.36,4.98 25.22,4.84 v1(25.22,4.77)
  Bottom Layer w0.191: v1(25.22,4.77) 25.24,4.78 25.24,5.84 JM3.9
/MGT_TX1_N: length 12.2
  Top Layer w0.13: U1.F1 17.2,10.19 17.02,10.01 17.02,9.41 17.63,8.8 arc(17.72,8.77) 17.81,8.8 18.03,9.02 arc(18.12,9.06) 18.21,9.02 arc(18.25,8.93) 18.21,8.84 17.99,8.62 arc(17.95,8.53) 17.99,8.44 18.18,8.25 21.14,8.25 23.83,5.56 23.84,5.56 24.12,5.27 24.12,4.98 24.26,4.84 v1(24.26,4.77)
  Bottom Layer w0.191: 24.25,4.78 JM3.13
/MGT_TX1_P: length 12.2
  Top Layer w0.13: U1.F2 17.16,10.96 17.16,10.68 16.77,10.29 16.77,9.3 18.08,7.99 21.03,7.99 23.73,5.3 23.73,5.3 23.86,5.17 23.86,4.98 23.73,4.84 v1(23.73,4.77)
  Bottom Layer w0.191: v1(23.73,4.77) 23.74,4.78 23.74,5.84
/MGT_TX2_N: length 12.1
  Top Layer w0.13: U1.D1 15.6,10.19 15.42,10.01 15.42,9.36 16.02,8.76 arc(16.12,8.72) 16.21,8.76 16.33,8.88 arc(16.43,8.92) 16.52,8.88 arc(16.55,8.79) 16.52,8.7 16.39,8.58 arc(16.35,8.48) 16.39,8.39 17.54,7.24 20.65,7.24 22.33,5.56 22.34,5.56 22.62,5.27 22.62,4.98 22.76,4.84 v1(22.76,4.77)
  Bottom Layer w0.191: 22.75,4.78 JM3.19
/MGT_TX2_P: length 12.3
  Top Layer w0.13: v1(22.22,4.77) 22.22,4.84 22.36,4.98 22.36,5.17 22.23,5.3 22.23,5.3 20.54,6.98 17.43,6.98 15.17,9.25 15.17,10.29 15.56,10.68 15.56,10.96 U1.D2
  Bottom Layer w0.191: v1(22.22,4.77) 22.24,4.78 22.24,5.84
/MGT_TX3_N: length 12.2
  Top Layer w0.13: U1.B1 14,10.19 13.82,10.01 13.82,9.37 14.28,8.92 arc(14.37,8.88) 14.47,8.92 14.6,9.05 arc(14.69,9.09) 14.78,9.05 arc(14.82,8.96) 14.78,8.87 14.65,8.73 arc(14.61,8.64) 14.65,8.55 16.97,6.23 20.16,6.23 20.83,5.56 20.84,5.56 21.12,5.27 21.12,4.98 21.26,4.84 v1(21.26,4.77)
  Bottom Layer w0.191: JM3.25 21.25,5.85 21.25,4.78 21.25,4.78
/MGT_TX3_P: length 12.5
  Top Layer w0.13: U1.B2 13.96,10.96 13.96,10.68 13.57,10.29 13.57,9.27 16.86,5.97 20.05,5.97 20.73,5.3 20.73,5.3 20.86,5.17 20.86,4.98 20.73,4.84 v1(20.73,4.77)
  Bottom Layer w0.191: JM3.27 20.74,5.84 20.74,4.78 v1(20.73,4.77)
/NetQ2_2: length 2.1
  Bottom Layer w0.127: R62.2 29.64,37.31 29.64,38.44 Q2.2 29.56,38.45 29.24,38.78 R59.1
/OSC_OE: length 37
  Top Layer w0.127: v1(22.4,11.4) 22.76,11.76
  Int2 (Sign) w0.127: v1(22.4,11.4) 22.4,9.45 20.76,7.81 14.96,7.81 14.34,7.19 9.4,7.19 6.46,10.14 6.46,12.27 4.13,14.59 4.13,23.61 v1(4.77,24.25)
  Bottom Layer w0.127: v1(4.77,24.25) JM2.47
/PERST#: length 13
  Top Layer w0.127: 21.24,10.96 v1(21.6,10.6)
  Bottom Layer w0.127: v1(21.6,10.6) 21.99,10.21 21.99,9.64 19.26,6.9 13.95,6.9 12.93,6.9 12.75,6.72 JM3.59
/PGA_CSn_1: length 38.4
  Top Layer w0.127: v1(21.6,9.8) 21.96,10.16
  Bottom Layer w0.127: JM2.36 1.1,21.25 0.39,20.54 0.39,8.96 2.57,6.78 5.2,6.78 6.49,8.07 7.46,8.07 8.37,7.16 19.1,7.16 21.55,9.6 21.55,9.75 v1(21.6,9.8)
/PGA_CSn_2: length 53.5
  Top Layer w0.127: v1(21.6,13) 21.96,13.36
  Int2 (Sign) w0.127: v1(3.23,23.75) 2.24,22.76 2.24,11.26 1.65,10.67 1.65,9.15 2.75,8.05 5.1,8.05 8.67,4.48 8.67,2.38 9.41,1.65 10.6,1.65 15.49,6.54 22.19,6.54 24.67,9.02 24.67,10.97 24.41,11.24 24.41,11.55 24.16,11.79 23.76,11.79 23.61,11.94 23.61,12.35 23.35,12.6 22,12.6 v1(21.6,13)
  Bottom Layer w0.127: JM2.46 v1(3.23,23.75)
/PGA_CSn_3: length 52.7
  Top Layer w0.127: 24.44,11.76 v1(24.8,11.4)
  Int2 (Sign) w0.127: v1(24.8,11.4) 24.8,11.34 24.95,11.19 24.95,8.93 22.3,6.28 15.59,6.28 10.71,1.4 9.3,1.4 8.42,2.28 8.42,4.37 4.99,7.8 2.64,7.8 1.4,9.04 1.4,10.77 1.99,11.36 1.99,24.51 v1(3.23,25.75)
  Bottom Layer w0.127: JM2.54 v1(3.23,25.75)
/PGA_CSn_4: length 60
  Top Layer w0.127: v1(23.2,13) 23.56,13.36
  Int2 (Sign) w0.127: v1(23.2,13) 23.25,12.95 23.5,12.95 23.85,12.59 24.18,12.59 26.25,10.53 26.25,9.51 22.51,5.78 15.8,5.78 10.92,0.89 9.09,0.89 7.91,2.06 7.91,4.14 4.76,7.29 2.4,7.29 0.88,8.81 0.88,10.98 1.47,11.58 1.47,25.99 v1(3.23,27.75)
  Bottom Layer w0.127: JM2.62 v1(3.23,27.75)
/PGA_SCLK: length 37.8
  Top Layer w0.127: 20.44,10.96 v1(20.8,10.6)
  Bottom Layer w0.127: JM2.34 1.2,20.75 0.65,20.2 0.65,9.06 2.68,7.03 5.09,7.03 6.39,8.32 7.56,8.32 8.48,7.41 19,7.41 21.19,9.6 21.19,10.21 v1(20.8,10.6)
/PGA_SDIO: length 38.1
  Top Layer w0.127: v1(20.8,11.32) 20.8,11.36 21.16,11.72 21.16,11.76
  Bottom Layer w0.127: JM2.32 3.11,20.25 3.61,19.75 3.61,12.97 0.95,10.3 0.95,9.12 2.79,7.28 4.99,7.28 6.28,8.57 7.67,8.57 8.58,7.66 18.89,7.66 20.39,9.16 20.39,10.92 20.79,11.32 v1(20.8,11.32)
/PROBE_COMP: length 55.8
  Top Layer w0.127: v1(1.07,23.25) 1.5,22.82 1.5,8.04 2.26,7.28 4.74,7.28 7.92,4.09 7.92,2.12 8.99,1.05 10.96,1.05 11.89,1.98 26.06,1.98 26.93,2.85 26.93,4.95 22.8,9.08 U1.N1
  Bottom Layer w0.127: v1(1.07,23.25) JM2.44
/SCL: length 37.2
  Top Layer w0.127: 20.36,13.36 20.36,13.34 20,12.98 v1(20,12.95)
  Int2 (Sign) w0.127: v1(6.95,26.75) 6.93,26.75 5.45,25.27 5.45,14.35 7.22,12.58 7.22,10.45 9.72,7.95 14.03,7.95 14.65,8.57 18.07,8.57 19.59,10.09 19.59,10.75 19.84,11 20.16,11 20.39,11.24 20.39,12.61 20.05,12.95 v1(20,12.95)
  Bottom Layer w0.127: JM2.57 v1(6.95,26.75)
/SDA: length 42.6
  Top Layer w0.127: v1(22.4,12.2) 22.76,12.56
  Int2 (Sign) w0.127: v1(22.4,12.2) 22.73,12.2 22.81,12.13 22.81,11.91 23.15,11.57 23.15,8.87 21.58,7.3 15.17,7.3 14.56,6.68 9.19,6.68 5.95,9.93 5.95,12.02 3.62,14.34 3.62,25.11 v1(4.77,26.25)
  Bottom Layer w0.127: v1(4.77,26.25) JM2.55
/SYNC: length 36.9
  Top Layer w0.127: U1.P6 23.6,14.2 v1(24.04,14.64)
  Int2 (Sign) w0.127: v1(36.8,35.98) 38.27,34.5 38.27,16.39 36.94,15.06 24.45,15.06 v1(24.04,14.64)
  Bottom Layer w0.127: JM1.93 37.77,35.83 37.02,35.83 36.88,35.98 v1(36.8,35.98)
/TCK: length 38.4
  Top Layer w0.127: v1(16.8,15.4) 17.16,15.76 ; v1(7.75,37.23) TP10.1
  Int2 (Sign) w0.127: v1(10.77,12.8) 10.4,12.8 10.07,13.13 10.07,13.53 8.82,14.78 8.82,36.15 v1(7.75,37.23)
  Bottom Layer w0.127: v1(16.8,15.4) 16.77,15.37 16.53,15.37 16.16,15.01 15.84,15.01 15.14,15.7 14.14,15.7 13.2,14.76 13.2,13.33 12.62,12.75 10.81,12.75 v1(10.77,12.8) ; v1(7.75,37.23) 7.74,37.24 5.86,37.24 JM2.99
/TDI: length 45.8
  Top Layer w0.127: 8.85,36 7.98,36 7.73,36.25 v1(7.67,36.25) ; v1(24.84,16.96) 24.84,16.96 25.2,16.6 U1.T9
  Int2 (Sign) w0.127: v1(7.67,36.25) 7.75,36.25 8.57,35.42 8.57,13.88 10.05,12.4 12.44,12.4 12.64,12.59 15.44,12.59 15.61,12.76 15.61,13.16 15.84,13.39 16.24,13.39 16.41,13.56 16.41,13.96 16.64,14.19 17.45,15.01 17.76,15.01 18,15.24 18,15.56 18.25,15.81 18.56,15.81 18.88,16.12 21.67,16.12 22.16,16.61 24.48,16.61 v1(24.84,16.96)
  Bottom Layer w0.127: JM2.95 v1(7.67,36.25)
/TDO: length 47.4
  Top Layer w0.127: 8.85,37.5 8.1,36.75 v1(6.95,36.75) ; U1.T8 25.2,15.81 24.78,16.24 v1(24.78,16.25)
  Int2 (Sign) w0.127: v1(24.78,16.25) 24.33,15.81 19.05,15.81 18.79,15.55 18.79,15.24 17.75,14.19 17.44,14.19 17.21,13.96 17.21,13.58 17.02,13.39 16.64,13.39 16.41,13.16 16.41,12.78 16.22,12.59 15.84,12.59 15.61,12.36 15.61,12.05 15.36,11.81 12.64,11.81 12.3,12.15 9.94,12.15 8.32,13.77 8.32,34.94 6.95,36.31 v1(6.95,36.75)
  Bottom Layer w0.127: JM2.97 v1(6.95,36.75)
/TMS: length 45.2
  Top Layer w0.127: v1(6.95,35.75) 7.48,35.75 7.75,35.48 TP11.1 ; v1(24,15.31) 24,15.35 24.36,15.72 24.36,15.76
  Int2 (Sign) w0.127: v1(24,15.31) 23.67,14.98 19.02,14.98 18,13.96 18,13.64 17.76,13.41 17.45,13.41 17.2,13.16 17.2,12.84 16.95,12.59 16.64,12.59 16.41,12.36 16.41,12.05 16.15,11.79 15.84,11.79 15.6,11.55 15.11,11.55 14.56,11.01 12.64,11.01 11.75,11.89 9.84,11.89 8.06,13.67 8.06,34.64 v1(6.95,35.75)
  Bottom Layer w0.127: JM2.93 v1(6.95,35.75)
VTTREF: length 35.4
  Top Layer w0.127: 14.84,19.04 14.84,19.05 15.16,19.37 v1(15.16,19.37) ; U4.M8 22.81,37.4 23.21,37.8 v1(23.22,37.8) ; 22.41,30.01 C17.1 ; v1(22.4,31.38) 22.41,31.37 ; U4.H1 19.6,31.79 20.01,31.38 v1(20.01,31.38) ; U1.F18 17.21,23.81 17.21,24.28 17.58,24.65 17.6,24.65 R27.1
  Top Layer w0.254: v1(20.01,31.38) 20.64,30.75 C16.2 ; 22.41,30.01 22.41,31.37
  Int2 (Sign) w0.127: v1(17.6,24.67) 17.68,24.67 18,24.34 18,21.24 18,21.23 18,20.07 17.74,19.81 16.74,19.81 16.5,19.56 16.5,19.25 16.25,19.01 15.53,19.01 15.16,19.37 ; v1(20.01,31.38) 19.61,31.78 19.61,35.19 19.61,38.22 v1(20.01,38.62) 20.41,39.02 22.01,39.02 v1(23.22,37.8)
  Bottom Layer w0.127: U5.H1 19.6,38.21 20.01,38.61 v1(20.01,38.62) 20.01,38.7 20.24,38.93 C5.1 20.94,40.7 21.54,40.7 22.41,39.83 22.41,38.04 22.65,37.8 v1(23.22,37.8) ; v1(22.4,31.38) 22.4,32.2 U5.M8

## Copper pours and planes (outline as drawn; the poured copper is in the pictures)
+1V0 on Top Layer: 24.07,4.2 26.68,4.2 26.68,2.96 25.96,2.24 24.08,2.24
+1V0 on Top Layer: 28.65,42.65 30.32,42.65 30.32,40.98 28.65,40.98
+1V0 on Bottom Layer: 31.68,11.95 33.55,10.08 30.75,7.28 28.88,9.15
+1V0 on Int3 (Sign): 27.5,15.85 25.17,15.85 24.4,16.62 23.45,16.62 23.45,18.02 22.59,18.88 18.67,18.88 17.87,18.08 16.53,18.08 16.53,14.1 17.42,14.1 17.42,0.3 37,0.3 37,36.75 30.88,42.88 27.5,42.88
+1V0_MGT on Int3 (Sign): 12.22,12.43 17.42,12.43 17.42,14.1 17.4,14.08 13.87,14.08
+1V2_MGT on Top Layer: 11.12,10.98 10.17,10.98 10.17,8.85 9.15,8.85 9.15,8.1 11.12,8.1
+1V2_MGT on Int2 (Sign): 10,12.5 18,12.5 18,9.58 17.76,9.33 14.33,9.33 13.71,8.72 10,8.72
+1V8 on Top Layer: 13.4,42.65 15.07,42.65 15.07,40.98 13.4,40.98
+1V8 on Top Layer: 4.9,7.98 6.06,9.14 9.09,6.11 7.98,5
+1V8 on Int3 (Sign): 16.45,39.9 12.55,39.9 5.82,33.18 5.82,14.8 6.9,13.73 8.15,13.72 10.6,16.17 14.03,16.18 15.2,17.35 15.2,18.61 17.04,20.45 22.92,20.45 24.65,18.72 24.65,16.62 23.45,16.62 23.45,17.95 22.52,18.88 18.67,18.88 17.87,18.08 16.67,18.08 16.53,17.93 16.53,14.08 13.87,14.08 11.3,11.5 11.3,5.55 16.55,0.3 0.3,0.3 0.3,42.88 16.45,42.88
+1V35 on Top Layer: 21,42.65 22.67,42.65 22.67,40.98 21,40.98
+1V35 on Top Layer: 7.17,15.58 7.17,13.1 8,13.1 8,15.58
+1V35 on Int3 (Sign): 12.95,40.3 15.92,40.3 15.92,42.88 27.5,42.88 27.5,15.85 25.45,15.85 24.65,16.44 24.65,18.72 22.92,20.45 17.04,20.45 14.82,18.24 14.82,16.97 14.02,16.18 10.6,16.18 8.07,13.65 7.07,13.65 5.9,14.83 5.9,33.25
+3.3V on Top Layer: 29.23,7.8 28.03,6.6 29.39,5.24 30.59,6.44
+3.3V on Int3 (Sign): 28.65,5.88 30,7.23 30,14.43 23.53,14.43 23.53,14.88 22.87,14.88 22.88,14.08 20.22,14.08 20.22,9.48 23.82,5.88
+3V3_IN on Top Layer: 11.28,47.77 13.1,47.77 13.1,49.45 11.28,49.45
+3V3_IN on Top Layer: 26.52,47.77 28.35,47.77 28.35,49.45 26.52,49.45
+3V3_IN on Top Layer: 32.57,8.18 33.81,9.41 34.7,8.53 35.84,9.66 36.57,8.93 34.2,6.55
+3V3_IN on Top Layer: 18.87,47.78 20.7,47.78 20.7,49.45 18.87,49.45
+3V3_IN on Int3 (Sign): 33.32,5.55 39.7,5.55 39.7,49.7 0.3,49.7 0.3,43.1 30.82,42.96 33.32,40.45
GND on Top Layer: 2.32,10.77 5.02,10.73 5.88,9.53 4.47,8.12 2.38,8.12 2.32,9.39
GND on Top Layer: 7.9,43.78 7.9,49.45 32.15,49.45 32.15,43.78
GND on Top Layer: 23.48,4.75 21.53,4.75 21.53,2.24 23.47,2.24
GND on Top Layer: 8.22,11.45 9.03,12.28 10.03,12.28 10.03,9.38 8.22,9.38
GND on Top Layer: 10.82,2.54 10.75,5.42 9.89,6.24 8.32,4.67 9.96,2.5
GND on Top Layer: 30.7,8.03 34.04,4.69 36.69,7.34 35.57,8.45 33.94,6.81 31.71,9.04
GND on Top Layer: 15.53,26.75 15.53,24.48 13.88,24.48 13.88,24 12.6,24 12.6,24.5 14.85,26.75
GND on Bottom Layer: 7.32,27.43 5.12,27.43 5.12,20.6 11.2,20.6 11.22,20.58 11.22,23.53 12.45,23.53 13.03,24.1 13.03,24.48 10.28,24.48
GND on Bottom Layer: 32.3,9.83 30.25,7.78 30.25,7.78 33.32,4.7 35.38,6.75
GND on Bottom Layer: 20.07,4.54 20.07,9.08 21.9,10.9 27.45,10.9 27.44,6.71 26.59,6.76 26.6,4.54
GND on Int1 (GND): 0.3,49.7 39.7,49.7 39.7,0.3 0.3,0.3
GND on Int2 (Sign): 0.3,49.7 39.7,49.7 39.7,0.3 0.3,0.3
GND on Int4 (GND): 0.3,49.7 39.7,49.7 39.7,0.3 0.3,0.3
/Board_PWR/NetC73_2 on Top Layer: 32.15,42.85 32.15,44.38 26.95,44.38 26.95,43.78 25.05,43.78 25.05,44.38 23.15,44.38 23.15,41.5 28.45,41.5 28.45,42.85
/Board_PWR/NetC78_2 on Top Layer: 29.85,7.18 30.62,7.95 32.72,5.85 30.75,3.88 29.39,5.24 30.59,6.44
/Board_PWR/NetC81_2 on Top Layer: 22.68,42.85 22.68,44.37 19.3,44.37 19.3,43.77 17.4,43.77 17.4,44.37 15.5,44.37 15.5,41.5 20.8,41.5 20.8,42.85
/Board_PWR/NetC86_2 on Top Layer: 15.07,42.85 15.07,44.38 11.7,44.38 11.7,43.78 9.8,43.78 9.8,44.38 7.9,44.38 7.9,41.5 13.2,41.5 13.2,42.85
VTTREF on Top Layer: 15.78,25.1 15.78,26.75 17.38,26.75 20.3,29.67 20.3,30.32 22.75,30.32 22.75,29.2 21.13,29.2 17.9,25.97 17.9,25.1

## Text on the board
Top Overlay: 1V8 | 1V35 | 1V0 | 1V2 | T1 | T2 | GND | CCLK | DONE | 3V3 | TCK | TMS | TDO | TDI | 3V3IN | FPGA Module Rev 2 / Aleksa Bjelogrlic
